# KiCad board ece499_project.kicad_pcb (continued)
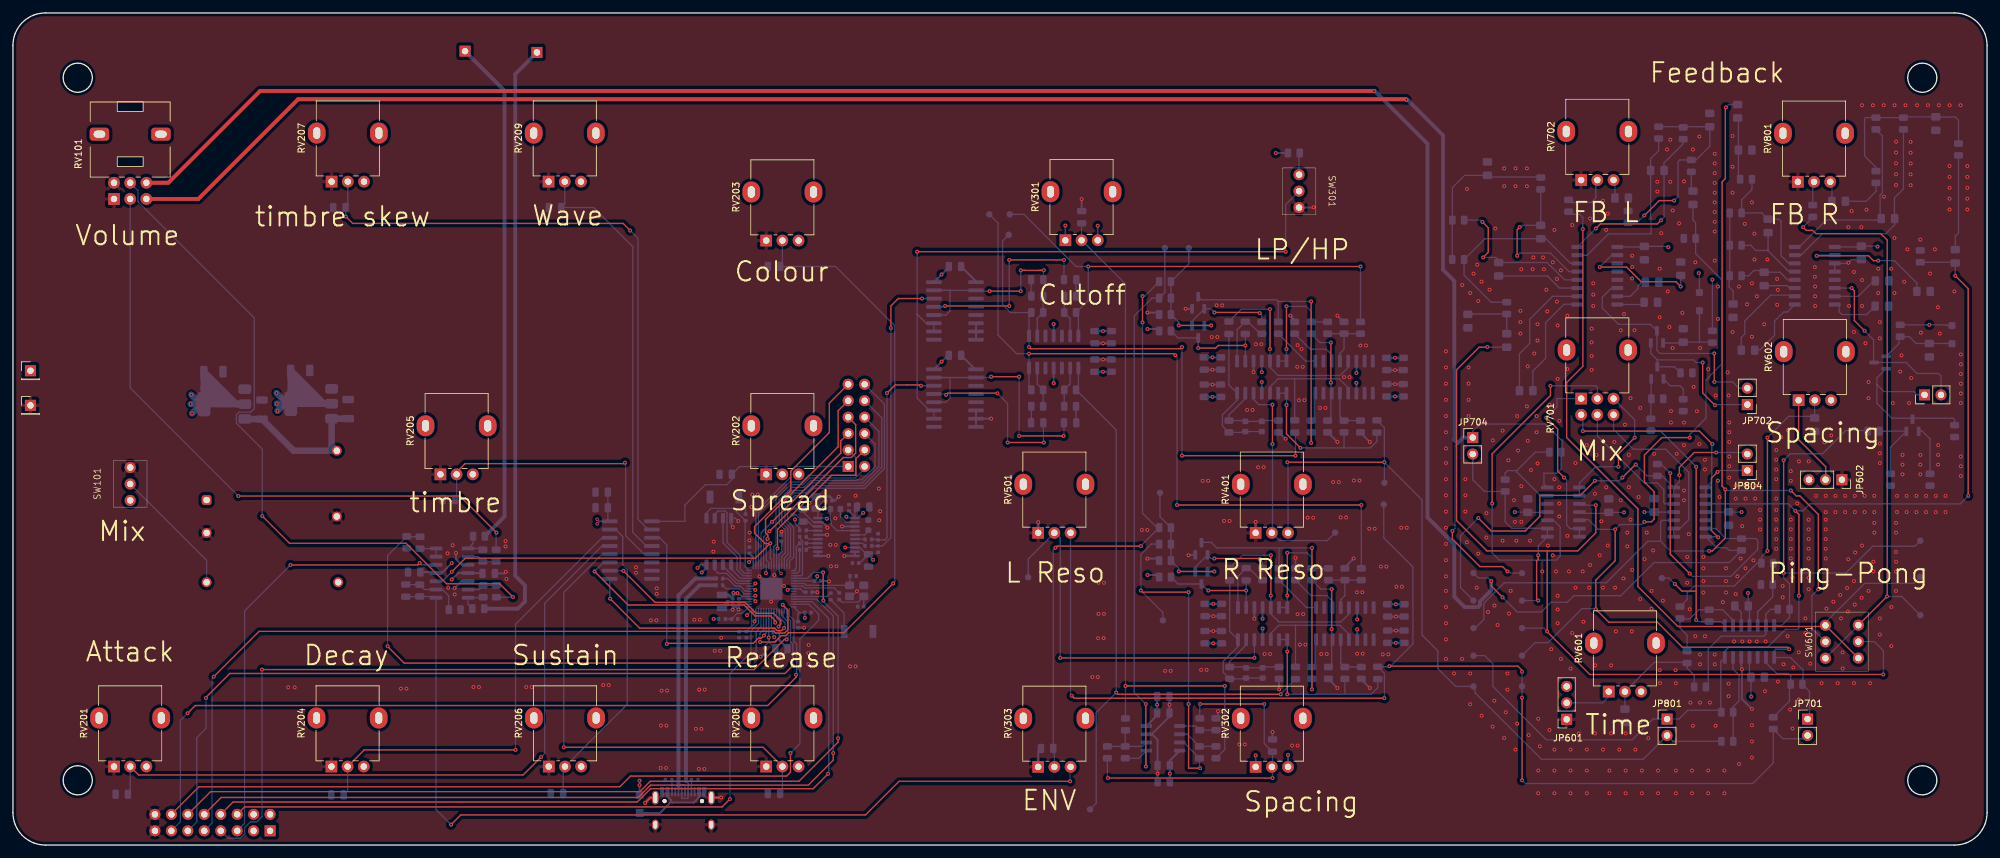
[diagram p0: board, top side]
## Routing (per net, layer and track width the routed paths; a pad name or vN(x,y) marks a point on that pad's centre or on a via; arc(x,y) is an arc through that point) (continued)
+5V: length 425.4
  In2.Cu w1: J102.4 J102.2 40.85,5.89 v1(40.85,67.05) 40.75,67.15 v1(40.75,68.15) 40.7,68.2 v1(40.7,69.8)
  In3.Cu w0.2: 255.79,92.42 255.69,92.32 v1(255.59,92.32) 255.39,92.52 ; 260.39,88.42 v1(260.29,88.32)
  In3.Cu w1: v1(295.89,80.33) 295.89,86.22 289.69,92.42 v1(287.89,92.42) 255.79,92.42 ; v1(260.29,88.32) 257.39,88.32 255.59,90.12 v1(255.59,92.32) ; 255.39,92.52 221.77,92.52 216.05,86.8 57.7,86.8 v1(40.7,69.8) ; 260.39,88.42 261.29,88.42 v1(262.39,87.32)
  Bottom w0.2: 281.98,92.36 285.26,92.36 C806.1 287.81,92.49 v1(287.89,92.42) ; 252.39,92.46 252.3,92.36 248.48,92.36 ; C706.1 255.43,92.46 255.56,92.32 v1(255.59,92.32) ; D701.1 260.39,88.22 v1(260.29,88.32) ; D801.1 298.59,80.22 298.48,80.33 v1(295.89,80.33) R812.1 ; v1(262.39,87.32) R712.1
  Bottom w1: 44.7,69.5 44.7,69.6 43.65,70.65 43.95,70.35 43.95,68.9 46.1,68.9 46.55,68.45 42.87,72.12 C115.1 ; v1(40.7,69.8) 42.35,68.15 U106.2 ; C115.1 42.9,73.27 42.9,70.4 ; C115.1 48.02,68.15 U106.2 U106.2 ; U106.2 42.9,70.4 ; U106.2 41.95,68.15 v1(40.85,67.05) ; U106.2 v1(40.75,68.15) ; 42.9,70.4 43.15,70.4 43.7,69.85
+12V: length 76
  Bottom w0.2: U701.11 236.72,51.22 236.21,51.22 236.04,51.38 C701.1 233.85,51.42 v1(231.89,51.42) ; v1(266.89,51.42) 264.93,51.42 C801.1 264.85,51.42 U801.11 ; U605.4 268.12,36.23 267.93,36.42 267.93,38.88 v1(267.89,38.92)
  Bottom w0.3: C511.1 C507.1 ; C101.1 72.45,42 68.75,42 v1(67.75,41) ; C306.1 v1(168.31,79.37) C310.1 ; C504.1 v1(213.52,31.22) C509.1 ; U402.4 v1(192.82,73.02) ; U301.8 178.63,13.05 C301.1 v1(178.63,11.02) ; U501.11 v1(207.55,33.31) ; U502.4 v1(192.95,34.96) ; RV301.1 v1(162.49,95.67) 162.47,95.69 ; v1(191.87,13.85) RV302.1 ; v1(178.63,11.02) 178.63,11.27 ; v1(178.63,11.02) C308.1 ; U401.11 v1(207.42,71.37) ; C404.1 C411.1 ; C409.1 v1(213.39,69.28) C407.1 ; U302.4 v1(160.69,80.45)
  Bottom w1: U104.3 35.83,65.77 C106.1 43.32,60.9 U103.6 49.2,61.7 U106.3 C110.1
  vias: v1(185.2,75.31) v1(185.33,37.25)
-12V: length 59.6
  Bottom w0.2: U605.11 268.12,26.15 C604.1 268.35,22.96 v1(268.39,22.92) ; U701.4 242.06,51.22 246.23,51.22 C703.1 v1(248.75,51.38) ; C803.1 v1(251.89,51.42) ; 256.42,51.42 253.89,51.42 253.39,51.92 ; 253.87,51.92 253.43,51.92 253.39,51.88
  Bottom w0.3: R509.2 176.67,41.7 v1(175.17,41.7) ; C405.2 C408.2 ; R409.2 176.67,79.69 v1(175.17,79.69) ; U502.11 v1(192.95,33.44) ; v1(67.75,43.55) 66.2,42 U105.11 65.17,42.15 C102.2 ; v1(167.49,95.64) RV301.3 ; U402.11 v1(192.82,71.5) ; C309.2 v1(176.66,21.69) C302.2 176.66,20.04 U301.4 ; C311.2 v1(168.31,73.09) ; v1(168.31,73.09) 168.56,73.09 ; v1(168.31,73.09) C307.2 ; U302.11 v1(160.69,71.31) ; v1(207.42,72.9) U401.6 ; v1(196.87,13.91) RV302.3 ; C505.2 C508.2 ; 214.66,75.24 212.12,75.24 ; C510.2 C512.2 ; v1(207.55,34.84) U501.6
  vias: v1(185.2,69.21) v1(185.33,31.15) v1(213.39,75.24) v1(213.52,37.18)
GND: length 176.2
  Top w0.3: J101.S1 109.32,7.32 v1(109.35,7.35) ; v1(97.6,6.49) 98.43,7.32 J101.S1
  Bottom w0.2: U107.61 117.1,37.64 v1(117.06,37.59) ; U107.61 117.5,39.99 v1(119.06,39.99) ; U107.61 117.56,40.04 v1(117.56,41.69) ; U107.61 117.1,39.65 v1(115.26,41.49) ; 124.28,49.85 123.62,49.85 121.97,51.49 C132.2 122,51.85 v1(123,52.85) 123,52.87 C125.2 ; C603.1 266.85,35.92 U605.3 ; R709.1 258.48,67.01 ; Y103.4 129.52,38.41 v1(130.31,39.2) ; U806.4 U806.3 283.3,89.82 v1(283.39,89.92) 283.89,90.42 C806.2 ; U107.47 112.16,37.19 ; v1(111.99,50.04) 111.54,50.48 U102.4 110.89,49.35 v1(111.15,49.1)
  Bottom w0.3: C303.2 v1(165.01,99.76) ; v1(76.1,42.2) 75.85,41.95 C101.2 ; v1(68.4,45.1) 68.4,44.17 69.3,43.27 70.28,43.27 ; C505.1 v1(185.33,33.05) C508.1 ; C305.2 158.29,14.49 RV303.1 ; C109.2 111.32,37.1 v1(112.05,36.37) 112.07,36.39 C108.2 ; C109.2 111.13,36.37 v1(111.12,36.36) 111.86,37.1 C108.2 ; C109.2 C108.2 ; 186.47,73.41 v1(185.2,73.41) 183.93,73.41 ; C410.1 v1(213.39,73.34) C412.1 ; 124.28,47.9 v1(125.7,47.9) ; C510.1 v1(213.52,35.28) C512.1 ; v1(204.5,62.25) 203.02,63.73 R415.1 ; R402.2 205.46,80.79 v1(204.5,81.75) ; C121.2 118.33,31.62 C111.2 119.6,30.05 v1(118.65,29.1) ; R515.1 203.11,25.64 v1(204.5,24.25) ; 124.28,45.3 124.28,44.65 v1(125.9,44.65) ; 148.7,86.93 148.7,87.04 C312.2 ; C504.2 C509.2 ; v1(200.82,98.49) 200.78,98.45 SW301.3 ; v1(168.31,74.99) C307.1 ; v1(168.31,74.99) C311.1 ; v1(168.31,74.99) 168.56,74.99 ; 124.28,49.85 125.01,49.85 125.75,49.11 v1(125.75,49) ; v1(158.29,49.87) RV501.1 ; v1(196.5,62.75) 195.52,63.73 R411.1 ; C511.2 v1(185.33,35.35) C507.2 ; R403.2 197.9,81.08 v1(197.23,81.75) ; v1(209.5,62.25) 208.06,63.69 R414.1 ; C117.2 118.6,48.35 v1(118.65,48.4) ; v1(115.43,29.08) 115.77,29.42 C113.2 ; v1(175.17,44.24) 176.67,44.24 R506.2 ; C405.1 v1(185.2,71.11) C408.1 ; U303.8 U303.7 U303.6 ; R406.2 176.67,82.23 v1(175.17,82.23) ; C306.2 C310.2 ; v1(207,44.25) 205.65,42.9 R502.2 ; 181,82.75 v1(181.06,82.81) Q402.2 ; C304.2 194.47,17.44 ; U109.9 U109.10 v1(128.35,44.65) ; R503.2 v1(198.03,44.36) ; U304.7 U304.6 ; U304.7 v1(151.04,65.85) ; U304.7 148.7,64.58 ; U402.3 v1(191.55,73.02) ; v1(68.2,39.7) 69.23,40.73 70.28,40.73 ; v1(122.15,33.55) C103.2 ; U304.1 148.56,73.47 C313.2 ; C132.2 121.84,51.98 C133.2 ; v1(181.5,44.75) 181.56,44.81 Q502.2 ; v1(127.5,53.8) 126.9,53.2 126.46,53.2 126.46,53.51 126.1,53.86 123.99,53.86 C125.2 ; C407.2 C409.2 ; U605.12 266.85,27.25 v1(266.95,27.15) 266.95,22.55 v1(268.5,21) ; C108.2 112.16,37.19 ; v1(126,40.71) 125.92,40.79 C119.2 ; R511.1 v1(195.49,24.04) ; v1(191.87,49.92) RV401.1 ; v1(186.06,20.67) 186.06,19.9 R305.2 ; C116.2 v1(124.2,39.05) ; R514.1 208.19,25.56 v1(209.5,24.25) ; U502.3 v1(191.68,34.96) ; U109.3 v1(128,49.2) ; C309.1 v1(178.56,21.69) C302.1 178.56,19.84 175.83,17.11 U301.3 175.88,17.11 176.73,16.26 C301.2 v1(176.73,11.02) C308.2
  vias: v1(42.5,24.35) v1(43.5,24.35) v1(59.9,24.15) v1(60.75,24.15) v1(67.1,45.05) v1(67.2,39.75) v1(67.9,46.3) v1(68.2,38.7) v1(71.1,24.4) v1(71.95,24.4) v1(76.05,46.95) v1(76.05,46.1) v1(76.2,41.1) v1(79.25,24.4) v1(80.1,24.4) v1(91.15,24.7) v1(92,24.7) v1(96.2,42.9) v1(96.2,42.05) v1(98.5,34.7) v1(99.35,34.7) v1(99.4,39.65) v1(99.4,38.8) v1(100.05,18.45) v1(100,11.9) v1(100.15,23.85) v1(100.85,11.9) v1(100.9,18.45) v1(101,23.85) v1(105.2,34.8) v1(105.45,17.95) v1(105.9,11.75) v1(106.05,34.8) v1(105.95,24) v1(106.3,17.95) v1(106.8,24) v1(106.75,11.75) v1(108.2,46.85) v1(108.15,45.3) v1(108.35,30) v1(109.2,30) v1(109.35,32) v1(112.15,29.15) v1(113.7,47.05) v1(113.75,48.25) v1(114,52.2) v1(114.15,54.11) v1(115,54.11) v1(122.85,30.9) v1(122.8,29.65) v1(122.8,27.95) v1(126.2,46.35) v1(126.3,43.05) v1(126.97,50.45) v1(127.05,46.35) v1(127.15,43.05) v1(129.25,27.6) v1(130.1,53.95) v1(130.1,27.6) v1(133.7,55.05) v1(133.75,50.15) v1(133.9,51.55) v1(166.65,25.95) v1(167.5,25.95) v1(167.6,40.5) v1(167.6,35.7) v1(167.55,31.95) v1(168.31,77.47) v1(168.45,40.5) v1(168.45,35.7) v1(168.4,31.95) v1(174.3,48.65) v1(175.15,48.65) v1(177.9,26.9) v1(178.75,26.9) v1(183.45,27.05) v1(183.7,56.25) v1(184.3,27.05) v1(184.55,56.25) v1(185.1,78.45) v1(185.85,83.35) v1(185.95,78.45) v1(186.7,83.35) v1(187,50.05) v1(187.85,50.05) v1(189.35,15.55) v1(190.2,15.55) v1(190.55,67.2) v1(191.4,67.2) v1(191.9,77.35) v1(192.25,58.35) v1(192.75,77.35) v1(193.1,58.35) v1(193.25,29.5) v1(194.1,29.5) v1(194.47,17.45) v1(197.5,15.36) v1(198.35,77.2) v1(198.3,73.85) v1(198.35,35.65) v1(198.35,15.36) v1(198.55,68.7) v1(198.7,30.95) v1(198.95,76.6) v1(199.15,73.85) v1(199.2,35.65) v1(199.4,68.7) v1(199.55,30.95) v1(199.9,50.55) v1(200.75,50.55) v1(201.8,67.5) v1(202,29.5) v1(202.65,67.5) v1(202.85,29.5) v1(203.85,56.05) v1(204.7,56.05) v1(205,50.6) v1(205.52,72.26) v1(205.85,50.6) v1(206.37,72.26) v1(207.05,56.3) v1(207.5,39.05) v1(207.55,29.55) v1(207.9,56.3) v1(208.05,77.15) v1(208.35,39.05) v1(208.4,29.55) v1(208.9,77.15) v1(209.4,48.85) v1(210.25,48.85) v1(211.2,43) v1(211.5,29.45) v1(212.05,43) v1(212.35,29.45) v1(213.39,71.18) v1(213.52,33.12) v1(213.6,39.9) v1(214.35,49) v1(214.45,39.9) v1(215.2,49) v1(221.25,76.25) v1(221.25,73.75) v1(221.25,71.25) v1(221.25,68.75) v1(221.25,66.25) v1(221.25,63.75) v1(221.25,61.25) v1(221.25,59) v1(221.25,56.5) v1(221.25,54) v1(221.25,51.5) v1(221.25,49) v1(221.25,46.5) v1(221.25,44) v1(221.25,41.5) v1(221.25,39.25) v1(221.25,36.75) v1(221.25,34.25) v1(221.25,31.75) v1(221.25,28.75) v1(222.5,26.5) v1(223.76,86.49) v1(223.75,28.75) v1(224.25,56.5) v1(224.25,54) v1(224.25,51.5) v1(224.49,101.32) v1(224.48,46.77) v1(224.75,73.75) v1(224.75,71.25) v1(224.75,68.75) v1(224.75,66.25) v1(225,85.25) v1(225,26.5) v1(225,21.75) v1(225.51,88.24) v1(226,39.75) v1(226.09,89.62) v1(226.24,84.01) v1(226.25,45) v1(226.75,87) v1(226.77,19.98) v1(227.5,51.25) v1(227.5,47.5) v1(227.75,36) v1(227.99,85.76) v1(228.5,62.5) v1(228.46,18.29) v1(228.71,22.29) v1(228.75,37) v1(228.89,95.22) v1(229.23,33.98) v1(230,64) v1(230,47) v1(230.25,104.5) v1(230.25,101.75) v1(230.23,16.52) v1(230.48,20.52) v1(230.75,26.5) v1(230.75,24) v1(230.89,59.42) v1(231,35.75) v1(231.25,39.25) v1(231.75,53.25) v1(231.89,49.92) v1(232,104.5) v1(232,101.75) v1(232,14.75) v1(232.12,47) v1(232.25,66.25) v1(232.25,18.75) v1(232.39,60.92) v1(232.75,82.5) v1(232.75,80.75) v1(232.75,79) v1(232.89,88.92) v1(232.89,55.42) v1(232.89,49.92) v1(233.75,104.5) v1(233.75,101.75) v1(233.75,67.75) v1(233.89,73.92) v1(233.89,62.42) v1(234.02,16.98) v1(234.24,47) v1(234.39,57.92) v1(234.64,88.92) v1(234.75,90.75) v1(234.89,75.92) v1(235.25,66.25) v1(235.25,63.75) v1(235.39,80.42) v1(235.39,77.92) v1(235.39,58.92) v1(235.5,19.5) v1(235.5,11.5) v1(235.5,8) v1(235.75,15.25) v1(236.13,42.25) v1(236.25,90.75) v1(236.39,88.92) v1(236.75,85.75) v1(236.89,82.42) v1(237,46.25) v1(237.25,68) v1(237.23,17.77) v1(237.5,30.25) v1(237.75,90) v1(237.75,44.75) v1(238,95) v1(238,56.5) v1(238,14.75) v1(238,11.5) v1(238,8) v1(238.25,42.25) v1(238.39,87.42) v1(238.39,83.92) v1(238.5,80.25) v1(238.5,72) v1(238.5,38.5) v1(238.5,36.38) v1(238.5,34.26) v1(238.75,65.5) v1(238.75,55.25) v1(238.75,52.75) v1(238.75,50.75) v1(239,88.75) v1(239,28.75) v1(240,81.75) v1(240,73.5) v1(240,47.75) v1(240.25,42.25) v1(240.5,27.25) v1(240.5,14.75) v1(240.5,11.5) v1(240.5,8) v1(240.75,95.75) v1(240.75,32.75) v1(241.25,59) v1(241.26,39.75) v1(241.75,17.25) v1(242.37,42.25) v1(242.48,34.48) v1(243,61.75) v1(243,14.75) v1(243,11.5) v1(243,8) v1(243.38,39.75) v1(243.5,96.75) v1(243.5,43.25) v1(243.75,79.75) v1(243.75,77.63) v1(243.75,75.5) v1(243.75,73.38) v1(244,86.75) v1(244,85) v1(244,83.25) v1(244.25,54.25) v1(244.25,17.25) v1(244.3,27.75) v1(244.5,60.25) v1(245,44.75) v1(245.25,50) v1(245.5,99.5) v1(245.5,39.75) v1(245.5,14.75) v1(246,95) v1(246,55.25) v1(246.25,97.5) v1(246.25,46.25) v1(246.5,11.5) v1(246.5,8) v1(246.75,27.75) v1(246.75,17.25) v1(247.25,62.25) v1(247.38,39.75) v1(247.5,33) v1(248,14.75) v1(248.25,79.5) v1(248.25,53.25) v1(248.67,41.17) v1(248.75,82) v1(248.89,64.92) v1(249,17.25) v1(249,11.5) v1(249,8) v1(249.25,48.25) v1(249.25,46.13) v1(249.5,60.25) v1(249.5,55.25) v1(249.75,69) v1(249.75,50.25) v1(249.95,33) v1(250,91) v1(250,89.25) v1(250,87.5) v1(250,42.5) v1(250.37,79.5) v1(250.5,14.75) v1(251,53.75) v1(251.25,67.5) v1(251.25,38) v1(251.25,19) v1(251.5,11.5) v1(251.5,8) v1(251.92,44.17) v1(252.25,48.25) v1(252.5,16.5) v1(253,39.25) v1(253,36.5) v1(253.25,45.5) v1(253.39,60.42) v1(253.89,102.42) v1(253.89,100.92) v1(254,11.5) v1(254,8) v1(254.25,89) v1(254.25,81.5) v1(254.25,27) v1(254.3,25) v1(254.5,94.5) v1(254.75,37.75) v1(255.39,107.42) v1(255.5,85.5) v1(255.75,80) v1(255.89,108.92) v1(255.89,102.42) v1(256,67.01) v1(256,65.25) v1(256.25,98) v1(256.25,76.75) v1(256.7,27) v1(256.75,25) v1(256.75,11.5) v1(256.75,8) v1(256.89,60.42) v1(257.25,96) v1(257.75,82.18) v1(258,102.5) v1(258,65.25) v1(258,61.75) v1(258,54.75) v1(258,53.25) v1(258.5,44.5) v1(258.5,40.5) v1(258.75,48) v1(258.89,36.42) v1(259,22) v1(259.25,11.5) v1(259.25,8) v1(259.39,107.42) v1(259.39,18.42) v1(259.5,70.75) v1(259.75,90) v1(259.75,32.25) v1(260,67) v1(260.39,109.42) v1(260.39,61.92) v1(260.5,76.75) v1(260.5,29.42) v1(260.5,27.92) v1(260.5,22) v1(261,44.5) v1(261,42.75) v1(261,40.75) v1(261,39) v1(261.25,59.5) v1(261.25,58) v1(261.25,32.25) v1(261.75,73.5) v1(261.75,11.5) v1(261.75,8) v1(262,22) v1(262.75,106.75) v1(262.75,105.25) v1(262.75,103.75) v1(262.75,102.25) v1(262.75,100.75) v1(262.75,99.25) v1(262.75,97.75) v1(262.75,96.25) v1(262.75,94.75) v1(262.75,90.25) v1(262.75,29.42) v1(262.75,27.92) v1(262.89,69.42) v1(262.89,18.42) v1(263.25,86.25) v1(263.25,81.25) v1(263.25,56.25) v1(263.5,53.75) v1(264,37.5) v1(264.25,11.5) v1(264.25,8) v1(264.5,42.75) v1(264.5,40.75) v1(264.5,39) v1(264.75,73) v1(264.89,69.42) v1(264.89,24.92) v1(264.89,23) v1(265,65.25) v1(265,63.75) v1(265,62.25) v1(265,60) v1(265,58.5) v1(265,56.75) v1(265.5,109.5) v1(265.5,104.75) v1(265.5,100.75) v1(265.5,79.25) v1(265.75,31.44) v1(266,55.5) v1(266,53.5) v1(266,38.75) v1(266.25,41.5) v1(266.5,86.25) v1(266.5,12.5) v1(266.75,44.25) v1(267,49.25) v1(267,31.44) v1(267.39,95.92) v1(267.5,55.5) v1(267.5,53.5) v1(267.5,42.75) v1(267.75,83.5) v1(268.12,31.44) v1(268.5,99.25) v1(268.5,86.75) v1(268.5,78.5) v1(268.5,18.5) v1(268.5,16) v1(268.5,13.5) v1(268.72,43.97) v1(268.89,94.42) v1(268.89,90.42) v1(269,55.5) v1(269,53.5) v1(269.25,84.75) v1(269.25,31.44) v1(269.75,51.75) v1(269.75,50.25) v1(269.75,48.75) v1(270.39,80.42) v1(270.5,23.75) v1(270.62,31.44) v1(270.89,90.42) v1(271,74.75) v1(272.25,61) v1(272.25,59.5) v1(272.25,58) v1(272.25,56.5) v1(272.25,53.5) v1(272.25,51.75) v1(272.25,50.25) v1(272.25,48.75) v1(272.25,47.25) v1(272.25,45.75) v1(272.39,87.42) v1(272.39,83.42) v1(272.5,85.75) v1(272.5,25.25) v1(273,63) v1(273.25,40) v1(273.25,38.25) v1(273.39,27.92) v1(274,32.25) v1(274.06,64.06) v1(274.39,20.92) v1(274.5,57.75) v1(274.5,56.25) v1(274.5,50.25) v1(274.5,48.75) v1(274.5,47.25) v1(274.5,45.75) v1(274.5,44.25) v1(274.75,41.25) v1(274.75,18) v1(274.89,27.42) v1(275.5,52.75) v1(275.73,29.77) v1(275.75,59.25) v1(275.75,22.5) v1(276.75,35) v1(276.75,32.75) v1(277.25,59.25) v1(277.25,50.25) v1(277.25,48.75) v1(277.25,47.25) v1(277.25,45.75) v1(277.25,44.25) v1(277.25,41.25) v1(277.25,39.5) v1(277.5,28) v1(278.21,89.25) v1(278.21,87.75) v1(278.25,86.25) v1(278.25,84.75) v1(278.25,83.25) v1(278.39,53.92) v1(279.25,25) v1(279.69,62.19) v1(279.89,53.92) v1(279.89,51.42) v1(279.89,50.25) v1(279.89,48.75) v1(279.89,47.25) v1(279.89,45.75) v1(279.89,44.25) v1(280.01,36.51) v1(280.39,97.42) v1(280.75,63.25) v1(281.07,37.57) v1(281.39,53.92) v1(281.39,51.42) v1(281.75,25) v1(282.13,38.63) v1(282.26,35.01) v1(282.5,29.75) v1(282.5,27.25) v1(282.89,53.92) v1(282.89,51.42) v1(283.19,39.69) v1(283.32,36.07) v1(283.39,95.42) v1(283.38,44.13) v1(283.5,83.25) v1(283.89,97.92) v1(284.25,88.5) v1(284.25,79.25) v1(284.25,40.75) v1(284.25,25) v1(284.39,53.92) v1(284.39,51.42) v1(284.44,45.19) v1(284.38,37.13) v1(285.39,95.42) v1(285.44,38.19) v1(285.5,114.25) v1(285.5,87.25) v1(285.5,83.25) v1(285.5,46.25) v1(285.89,53.92) v1(285.89,51.42) v1(286.02,77.48) v1(286.19,98.12) v1(286.5,71.5) v1(286.5,69) v1(286.5,39.25) v1(286.75,25) v1(287.18,114.25) v1(287.25,43.75) v1(287.25,42.25) v1(287.39,53.92) v1(287.39,51.42) v1(287.39,49.75) v1(287.39,48.25) v1(288,89) v1(288,85.25) v1(288.25,80.75) v1(288.25,78.25) v1(288.25,62) v1(288.25,60.5) v1(288.25,59) v1(288.25,35) v1(288.25,32.5) v1(288.85,114.25) v1(288.89,100.12) v1(290,89) v1(290.02,36.77) v1(290.02,30.73) v1(290.25,68.25) v1(290.53,114.25) v1(290.5,93.75) v1(290.5,85.25) v1(290.75,108.62) v1(290.75,106.94) v1(290.75,105.27) v1(290.75,103.59) v1(290.75,101.92) v1(290.75,49.75) v1(290.75,48.25) v1(290.75,45.25) v1(290.75,43.75) v1(290.75,42.25) v1(290.75,39.25) v1(290.89,53.92) v1(290.89,51.42) v1(291.39,73.12) v1(291.59,75.62) v1(291.75,60.25) v1(291.75,58.75) v1(291.75,57.25) v1(292,87) v1(292.2,114.25) v1(292.39,53.92) v1(292.39,51.42) v1(292.5,92) v1(292.75,68.25) v1(293,108.6) v1(293,106.92) v1(293,105.25) v1(293,103.57) v1(293,101.9) v1(293.09,72.12) v1(293.89,53.92) v1(293.89,51.42) v1(294,114.25) v1(294.5,93.5) v1(294.5,60.25) v1(294.5,58.75) v1(294.5,57.25) v1(294.59,79.12) v1(295.39,53.92) v1(295.39,51.42) v1(295.68,114.25) v1(296,88.25) v1(296.75,92) v1(296.89,53.92) v1(296.89,51.42) v1(297.2,83.05) v1(297.25,61.75) v1(297.25,60.25) v1(297.25,58.75) v1(297.35,114.25) v1(297.5,79) v1(298.39,53.92) v1(298.39,51.42) v1(299.03,114.25) v1(299,104.85) v1(299,103.17) v1(299,101.5) v1(299,99.82) v1(299,98.15) v1(299.75,85.5) v1(300.7,114.25) v1(300.75,75.75) v1(300.75,74.25) v1(300.75,72.75) v1(300.75,71.25) v1(300.75,69.75) v1(300.75,68.25) v1(300.75,60) v1(300.75,58.5) v1(300.75,57) v1(301.75,104.85) v1(301.75,103.17) v1(301.75,101.5) v1(301.75,99.82) v1(301.75,98.15)
VBUS: length 13
  Bottom w0.3: 101.61,6.75 101.61,6.97 101.05,7.53 J101.A9 ; 101.61,6.75 101.61,6.66 99.9,4.95 D101.2 ; 101.61,6.75 101.81,6.55 105.12,6.55 105.95,7.38 J101.A4
VCC: length 149.5
  In3.Cu w1: v1(96.75,9.95) 94.25,7.45 42.75,7.45 25.7,24.5 25.7,50.15 28.83,53.28 U103.1 9.93,73.25 TP101.1
  Bottom w0.2: D101.1 v1(96.75,9.25)
  Bottom w0.3: D101.1 v1(96.75,9.95)
/GPIO0: length 26.1
  Bottom w0.2: U107.2 114.7,43.76 114.7,43.76 114.7,51.45 120,56.75 120,56.75 120.1,56.85 120.1,57.75 120.8,58.45 121.55,58.45 121.56,58.46 J103.1
/GPIO1: length 29.9
  Bottom w0.2: U107.3 115.1,43.6 115.1,43.6 115.1,51.25 119.9,56.05 121.8,56.05 122.85,57.1 129.9,57.1 130.11,57.31 130.11,59.85 J103.3
/GPIO2: length 26.3
  Top w0.2: v1(117.2,49.9) 127.81,60.51 127.81,62.39 J103.5
  Bottom w0.2: 115.5,43.5 115.5,43.5 U107.4 ; 115.5,43.5 115.5,43.7 ; 115.5,43.5 115.5,48.2 115.7,48.4 115.7,48.4 v1(117.2,49.9)
/GPIO3: length 30
  Top w0.2: v1(116.8,48.45) 128.2,59.85 129.44,59.85 130.11,60.52 130.11,64.93 J103.7
  Bottom w0.2: v1(116.8,48.45) 115.9,47.55 115.9,43.6 ; 115.9,43.5 115.9,43.5 ; U107.5 115.9,43.45
/GPIO4: length 31.3
  Top w0.2: v1(116.5,47.28) 116.55,47.33 116.55,47.85 116.2,48.2 116.2,48.7 116.2,48.7 116.2,50.3 127.41,61.51 127.41,67.07 J103.9
  Bottom w0.2: U107.7 116.7,43.6 116.31,43.99 116.31,47.1 116.48,47.28 v1(116.5,47.28)
/GPIO5: length 89.8
  Top w0.2: J103.11 126.05,68.25 126.05,63.7 120.1,57.75 120.1,54.77 114.5,49.17 114.5,48.19 116.13,46.55 116.88,46.55 v1(116.93,46.6) 114.63,44.3 69.85,44.3 v1(67.75,42.2)
  Bottom w0.2: v1(116.93,46.6) 116.93,44.32 117.1,44.15 U107.8 ; U105.10 66.28,40.73 v1(67.75,42.2)
/GPIO6: length 26.5
  Bottom w0.2: J103.2 131.5,58.13 130.07,56.7 123.01,56.7 121.96,55.65 120.07,55.65 117.8,53.38 117.8,46.4 117.45,46.05 117.45,45.55 117.5,45.5 U107.9
/GPIO7: length 25.8
  Top w0.2: J103.4 130.15,59.65 130.15,57.1 126.4,57.1 118.05,48.75 v1(118.05,45.8)
  Bottom w0.2: U107.10 117.9,45.65 v1(118.05,45.8)
/GPIO8: length 33.6
  Bottom w0.2: J103.6 133.09,61.95 133.1,61.95 133.1,58.43 131.07,56.4 130.34,56.4 130.23,56.3 123.18,56.3 122.13,55.25 120.23,55.25 118.3,53.32 118.3,49.6 119.25,48.65 119.25,45.1 118.7,44.55 U107.12
/GPIO9: length 36.4
  Bottom w0.2: J103.8 133.7,63.88 133.7,58.47 131.13,55.9 123.35,55.9 122.2,54.75 120.36,54.75 118.7,53.1 118.7,49.76 119.65,48.82 119.65,44.85 119.1,44.3 U107.13
/GPIO10: length 39.1
  Bottom w0.2: U107.14 119.5,44 120.05,44.55 120.05,48.98 119.2,49.83 119.2,53 120.55,54.35 122.37,54.35 123.51,55.5 131.3,55.5 134.15,58.35 134.15,65.97 J103.10
/GPIO11: length 41.9
  Bottom w0.2: J103.12 134.55,68.11 134.55,58.15 131.5,55.09 123.68,55.09 122.53,53.94 120.71,53.94 119.6,52.83 119.6,50 120.45,49.15 120.45,49.12 120.55,49.03 120.55,44.45 119.9,43.8 U107.15
/GPIO15: length 137.2
  Top w0.2: J102.12 30.51,8.25 96.8,8.25 98.4,9.85 121.35,9.85 127.4,15.9 v1(127.4,16.5) ; v1(125.1,42.1) 125.1,37.8 v1(125.12,37.77)
  Bottom w0.2: v1(125.12,37.77) 125.1,37.75 125.1,37.65 127.4,35.35 v1(127.4,16.5) ; U107.19 121.09,41.19 121.09,41.19 122.69,41.19 123.62,42.12 125.08,42.12 v1(125.1,42.1)
/GPIO16: length 130.1
  Top w0.2: J102.10 32.15,7.35 96.53,7.35 98.28,9.1 98.3,9.1 98.45,9.25 122.8,9.25 126.65,13.1 v1(126.65,14.2)
  Bottom w0.2: U107.27 124.06,37.99 126.65,35.4 v1(126.65,14.2)
/GPIO17: length 126.9
  Top w0.2: J102.8 33.99,6.65 96.4,6.65 98.45,8.7 123.55,8.7 v1(125.85,11)
  Bottom w0.2: v1(125.85,11) 125.95,11.1 125.95,35 123.36,37.59 U107.28
/GPIO18: length 129
  Top w0.2: v1(120.05,14.2) 120.05,11.25 119.45,10.65 95.35,10.65 93.7,9 28.72,9 J102.14
  Bottom w0.2: U107.29 122.88,37.19 124.4,35.67 124.4,34.7 121.5,31.8 121.5,15.65 v1(120.05,14.2)
/GPIO19: length 126.2
  Top w0.2: v1(120.9,26.3) 120.9,25.9 116.55,21.55 28.15,21.55 v1(26.95,20.35)
  Bottom w0.2: J102.13 25.85,3.59 25.85,19.25 v1(26.95,20.35) ; v1(120.9,26.3) 121,26.4 121,31.03 120.59,31.44 120.59,34.71 119.9,35.4 U107.31
/GPIO20: length 123.2
  Top w0.2: v1(120.4,27.7) 119.2,26.5 33.49,26.5 29.8,22.81 v1(29.8,22.7)
  Bottom w0.2: J102.11 28.39,3.59 28.39,16.59 29.8,18 v1(29.8,22.7) ; 120.05,31.38 120.05,34.62 119.5,35.17 U107.32 ; 120.09,31.38 120.4,31.06 120.4,29.32 v1(120.4,27.7)
/GPIO21: length 121.5
  Top w0.2: v1(31,26) 38,33 117.53,33 117.8,32.73 119.13,32.73 119.65,33.25 119.65,36.29 v1(118.85,37.08)
  Bottom w0.2: v1(31,26) 30.75,25.75 30.75,3.41 J102.9 ; v1(118.85,37.08) 119.1,36.84 U107.33
/GPIO22: length 119.3
  Top w0.2: v1(38.45,27.1) 114.45,27.1 119.1,31.75 v1(119.45,31.75)
  Bottom w0.2: U107.34 118.7,35.4 119.65,34.45 119.65,32 119.45,31.8 v1(119.45,31.75) ; J102.7 33.23,1.05 35.1,1.05 35.77,1.72 35.77,2.68 36.68,3.59 37.64,3.59 38.45,4.4 v1(38.45,27.1)
/GPIO23: length 35.2
  Top w0.2: v1(92.2,38.05) 96.75,33.5 117.61,33.5 117.61,33.49 117.96,33.13 118.68,33.13 v1(119.05,33.5)
  Bottom w0.2: v1(119.05,33.5) 119.2,33.65 119.2,34.3 118.3,35.2 U107.35 ; 92.15,41.1 92.15,38.1 v1(92.2,38.05)
/GPIO24: length 33.3
  Top w0.2: v1(118.21,33.74) 118.21,33.81 118.55,34.15 118.55,34.66 117.43,35.78 114.74,35.78 113.05,37.47 99.13,37.47 v1(94.25,42.35)
  Bottom w0.2: v1(118.21,33.74) 118.21,33.81 118.37,33.97 118.37,34.53 117.9,35 U107.36 ; v1(94.25,42.35) 94.22,42.37 U201.10
/GPIO25: length 36.2
  Top w0.2: v1(89.8,42.25) 94.98,37.07 112.88,37.07 114.57,35.38 116.97,35.38 117.8,34.55 117.8,34.45 v1(117.7,34.35)
  Bottom w0.2: v1(117.7,34.35) 117.7,34.45 117.5,34.65 U107.37 ; v1(89.8,42.25) 91.19,43.64 U201.11
/GPIO26_ADC0: length 37.5
  Top w0.2: v1(100.95,31.05) 101.05,31.15 114.3,31.15 115.1,31.95 115.55,31.95 v1(115.95,32.35)
  Bottom w0.2: v1(100.95,31.05) 100.95,46.35 99.85,47.45 U201.3 ; U107.40 116.3,32.8 115.95,32.45 v1(115.95,32.35)
/GPIO27_ADC1: length 94.9
  Top w0.2: v1(115.35,31.35) 117.63,31.35 117.77,31.5 117.8,31.5 118.15,31.85 118.15,31.88 118.61,32.33 119.3,32.33 119.77,32.8 128.3,32.8 v1(135.9,40.4)
  Bottom w0.2: RV203.2 118.8,89.7 C205.1 127,89.35 136.15,80.2 136.15,40.65 v1(135.9,40.4) ; v1(115.35,31.35) 115.35,32.7 115.9,33.25 U107.41
/GPIO28_ADC2: length 86
  Top w0.2: v1(57.85,30.7) 57.9,30.65 57.9,30.6 60.41,28.09 v1(113.59,28.09)
  Bottom w0.2: R123.1 60.85,47.61 R124.2 57.85,44.71 v1(57.85,30.7) ; U107.42 115.5,33.7 114.75,32.95 114.75,29.25 v1(113.59,28.09)
/GPIO29_ADC3: length 107.9
  Top w0.2: v1(110.7,7.1) 109.49,5.89 35.77,5.89 J102.6
  Bottom w0.2: v1(110.7,7.1) 110.7,26.5 113.95,29.75 113.95,33.1 115.1,34.25 U107.43
/I2S_BCK: length 4.4
  Bottom w0.2: R114.2 121.46,42.29 121.45,42.3 121.14,41.99 U107.17
/I2S_DIN: length 4.6
  Bottom w0.2: U107.16 120.95,42.8 120.95,46.08 R111.2
/I2S_LRCK: length 7.6
  Bottom w0.2: 121.31,41.59 121.74,41.59 121.9,41.75 121.9,46.95 121.9,46.95 121.47,47.38 R113.2 ; 121.03,41.59 120.6,41.59 ; 121.33,41.59 120.9,41.59
/LINE_OUT_L: length 78.7
  Bottom w0.6: R119.2 75.9,50.74 75.9,116.5 TP103.1
/LINE_OUT_R: length 93.6
  Bottom w0.6: TP104.1 77.55,119.05 77.55,41.6 79.05,40.1 79.05,37.6 77.95,36.5 R120.2
/MCU Panel Controls/attack_pot: length 107.2
  Top w0.2: v1(81.55,13.6) 78.77,10.82 19.4,10.82 RV201.2
  Bottom w0.2: v1(81.55,13.6) 82.09,14.14 82.09,37.33 90.95,46.18 U201.13 ; RV201.2 18.1,8.2 C203.1
/MCU Panel Controls/decay_pot: length 71.1
  Top w0.2: v1(77.6,14.7) 54.24,14.7 RV204.2
  Bottom w0.2: U201.14 90.95,47.45 77.6,34.1 v1(77.6,14.7) ; RV204.2 51.67,8.37 C206.1
/MCU Panel Controls/release_pot: length 72.8
  Top w0.2: v1(85.05,15.1) 115.83,15.1 RV208.2
  Bottom w0.2: RV208.2 118.8,8.3 C210.1 ; U201.12 90.95,44.91 85.05,39.01 v1(85.05,15.1)
/MCU Panel Controls/spread_pot: length 26.1
  Bottom w0.2: U201.1 103.75,49.99 103.75,52.49 106.9,55.65 110.2,55.65 111,56.45 C204.1 112.2,58.45 117.6,58.45 RV202.2
/MCU Panel Controls/sustain_pot: length 46.5
  Bottom w0.2: C208.1 84.95,11.84 RV206.2 94.85,21.74 94.85,41.75 94.85,41.75 94.85,42.6 94.15,43.3 94.15,47.65 93.08,48.72 U201.15
/MCU Panel Controls/timbre_offset_pot: length 47.5
  Top w0.2: v1(94.5,59.05) 94.35,58.9 69.8,58.9 68.5,57.6 RV205.2
  Bottom w0.2: C207.1 68.5,53.6 RV205.2 ; v1(94.5,59.05) 94.6,58.95 94.6,47.77 97.45,44.91 U201.5
/MCU Panel Controls/timbre_skew_pot: length 98.3
  Top w0.2: v1(51.4,97.05) 52.45,96 94.2,96 v1(95.3,94.9)
  Bottom w0.2: v1(51.4,97.05) 51.4,98.4 C209.1 51.7,98.8 RV207.2 ; U201.2 98.08,48.72 96.5,50.3 96.5,93.7 v1(95.3,94.9)
/MCU Panel Controls/wave_pot: length 65.7
  Bottom w0.2: U201.4 97.8,46.18 95.7,48.29 95.7,92.4 89.65,98.45 C211.1 85.2,99 RV209.2